# Altium PCB bms_afe_tester-1_0.PcbDoc (part 1 of 4) (continued)
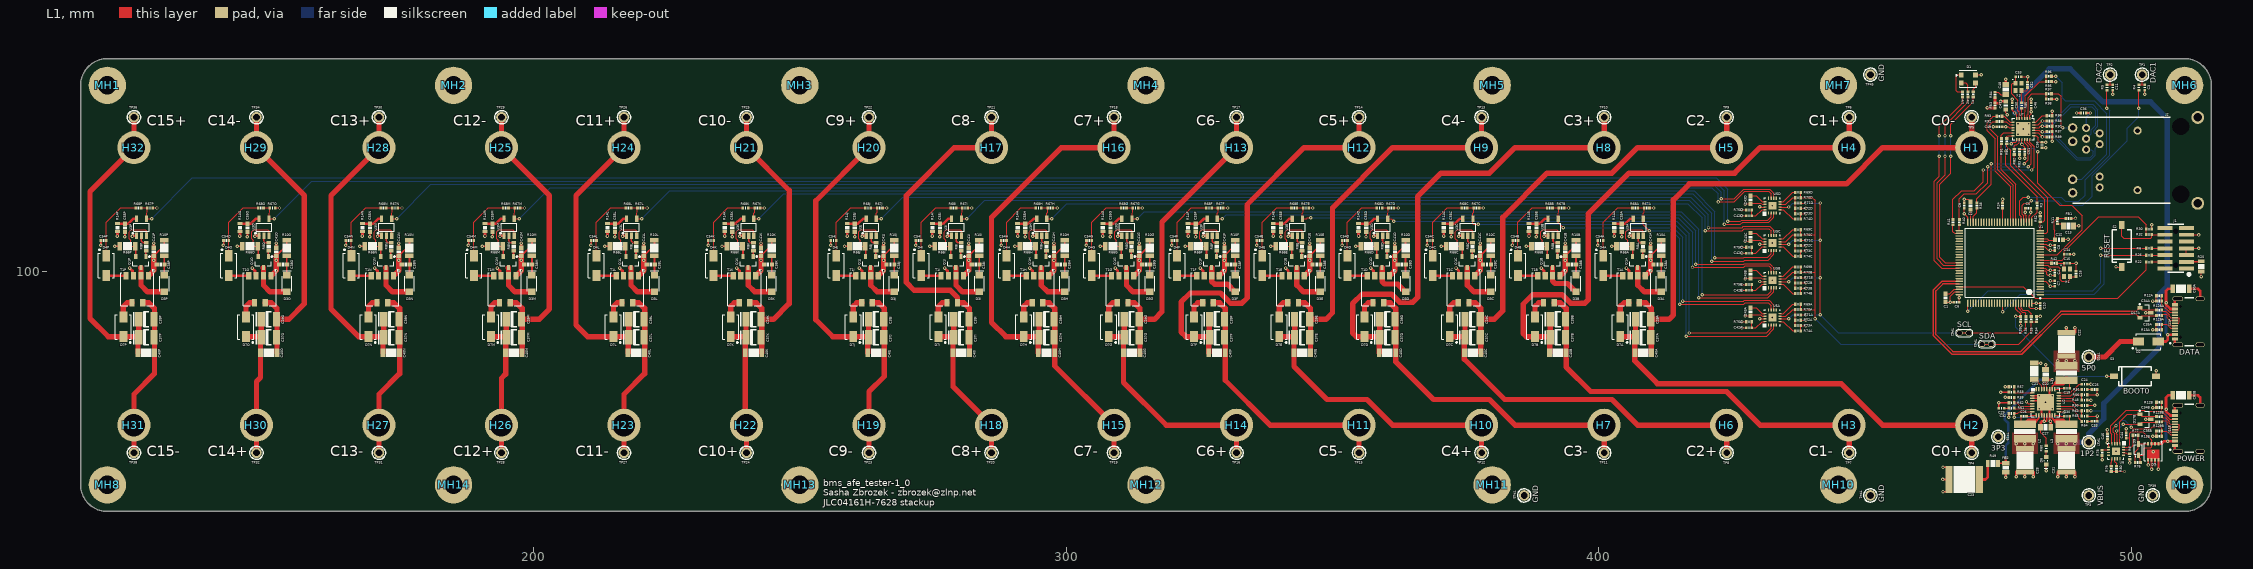
[diagram p0: L1 view]
## Components (designator, comment, footprint, x,y, rotation, side; value= is the part's Value field where it differs from the comment) (continued)
C40J "CL31B106KOHNNNE" C1206 264.325,84.766 r0 top (schematic designator C40)
C40K "CL31B106KOHNNNE" C1206 241.325,84.766 r0 top (schematic designator C40)
C40L "CL31B106KOHNNNE" C1206 219.325,84.766 r0 top (schematic designator C40)
C40M "CL31B106KOHNNNE" C1206 196.325,84.766 r0 top (schematic designator C40)
C40N "CL31B106KOHNNNE" C1206 173.325,84.766 r0 top (schematic designator C40)
C40O "CL31B106KOHNNNE" C1206 150.325,84.766 r0 top (schematic designator C40)
C40P "CL31B106KOHNNNE" C1206 127.325,84.766 r0 top (schematic designator C40)
C41A "CL10B105KA8NNNC" C0603 409.725,103.766 r90 top (schematic designator C41)
C41B "CL10B105KA8NNNC" C0603 393.725,103.766 r90 top (schematic designator C41)
C41C "CL10B105KA8NNNC" C0603 377.725,103.766 r90 top (schematic designator C41)
C41D "CL10B105KA8NNNC" C0603 361.725,103.766 r90 top (schematic designator C41)
C41E "CL10B105KA8NNNC" C0603 345.725,103.766 r90 top (schematic designator C41)
C41F "CL10B105KA8NNNC" C0603 329.725,103.766 r90 top (schematic designator C41)
C41G "CL10B105KA8NNNC" C0603 313.725,103.766 r90 top (schematic designator C41)
C41H "CL10B105KA8NNNC" C0603 297.725,103.766 r90 top (schematic designator C41)
C41I "CL10B105KA8NNNC" C0603 281.725,103.766 r90 top (schematic designator C41)
C41J "CL10B105KA8NNNC" C0603 265.725,103.766 r90 top (schematic designator C41)
C41K "CL10B105KA8NNNC" C0603 242.725,103.766 r90 top (schematic designator C41)
C41L "CL10B105KA8NNNC" C0603 220.725,103.766 r90 top (schematic designator C41)
C41M "CL10B105KA8NNNC" C0603 197.725,103.766 r90 top (schematic designator C41)
C41N "CL10B105KA8NNNC" C0603 174.725,103.766 r90 top (schematic designator C41)
C41O "CL10B105KA8NNNC" C0603 151.725,103.766 r90 top (schematic designator C41)
C41P "CL10B105KA8NNNC" C0603 128.725,103.766 r90 top (schematic designator C41)
C42A "CL05B104KB54PNC" C0402 428.2,89.5 r180 top (schematic designator C42)
C42B "CL05B104KB54PNC" C0402 428.2,96.5 r180 top (schematic designator C42)
C42C "CL05B104KB54PNC" C0402 428.2,103.5 r180 top (schematic designator C42)
C42D "CL05B104KB54PNC" C0402 428.2,110.5 r180 top (schematic designator C42)
C43A "GCM188R70J225KE22D" C0603 428.5,92.5 r270 top (schematic designator C43)
C43B "GCM188R70J225KE22D" C0603 428.5,99.5 r270 top (schematic designator C43)
C43C "GCM188R70J225KE22D" C0603 428.5,106.5 r270 top (schematic designator C43)
C43D "GCM188R70J225KE22D" C0603 428.5,113.5 r270 top (schematic designator C43)
C44 "CL05B104KB54PNC" C0402 499,69.3 r90 top
C45 "CL05B104KB54PNC" C0402 495.5,69.1 r90 top
C46 "CL05B104KB54PNC" C0402 481.2,131.2 r90 top
C47 "CL10B105KA8NNNC" C0603 476.4,131.2 r270 top
C48 "CC0805KKX7R5BB106" C0805 476.4,134.2 r90 top
C49 "CL05B104KB54PNC" C0402 475.2,127.2 r180 top
C50 "CL05B104KB54PNC" C0402 477.6,131.2 r90 top
C51 "CC0402JRNPO9BN270" C0402 480,122.5 r270 top
C52 "CC0402CRNPO9BN6R0" C0402 480.5,135.1 r90 top
C53 "CC0402CRNPO9BN6R0" C0402 478.8,136.6 r0 top
C54A "CL05B104KB54PNC" C0402 400.325,105.866 r180 top (schematic designator C54)
C54B "CL05B104KB54PNC" C0402 384.325,105.866 r180 top (schematic designator C54)
C54C "CL05B104KB54PNC" C0402 368.325,105.866 r180 top (schematic designator C54)
C54D "CL05B104KB54PNC" C0402 352.325,105.866 r180 top (schematic designator C54)
C54E "CL05B104KB54PNC" C0402 336.325,105.866 r180 top (schematic designator C54)
C54F "CL05B104KB54PNC" C0402 320.325,105.866 r180 top (schematic designator C54)
C54G "CL05B104KB54PNC" C0402 304.325,105.866 r180 top (schematic designator C54)
C54H "CL05B104KB54PNC" C0402 288.325,105.866 r180 top (schematic designator C54)
C54I "CL05B104KB54PNC" C0402 272.325,105.866 r180 top (schematic designator C54)
C54J "CL05B104KB54PNC" C0402 256.325,105.866 r180 top (schematic designator C54)
C54K "CL05B104KB54PNC" C0402 233.325,105.866 r180 top (schematic designator C54)
C54L "CL05B104KB54PNC" C0402 211.325,105.866 r180 top (schematic designator C54)
C54M "CL05B104KB54PNC" C0402 188.325,105.866 r180 top (schematic designator C54)
C54N "CL05B104KB54PNC" C0402 165.325,105.866 r180 top (schematic designator C54)
C54O "CL05B104KB54PNC" C0402 142.325,105.866 r180 top (schematic designator C54)
C54P "CL05B104KB54PNC" C0402 119.325,105.866 r180 top (schematic designator C54)
C55A "CL10B105KA8NNNC" C0603 404.325,108.266 r270 top (schematic designator C55)
C55B "CL10B105KA8NNNC" C0603 388.325,108.266 r270 top (schematic designator C55)
C55C "CL10B105KA8NNNC" C0603 372.325,108.266 r270 top (schematic designator C55)
C55D "CL10B105KA8NNNC" C0603 356.325,108.266 r270 top (schematic designator C55)
C55E "CL10B105KA8NNNC" C0603 340.325,108.266 r270 top (schematic designator C55)
C55F "CL10B105KA8NNNC" C0603 324.325,108.266 r270 top (schematic designator C55)
C55G "CL10B105KA8NNNC" C0603 308.325,108.266 r270 top (schematic designator C55)
C55H "CL10B105KA8NNNC" C0603 292.325,108.266 r270 top (schematic designator C55)
C55I "CL10B105KA8NNNC" C0603 276.325,108.266 r270 top (schematic designator C55)
C55J "CL10B105KA8NNNC" C0603 260.325,108.266 r270 top (schematic designator C55)
C55K "CL10B105KA8NNNC" C0603 237.325,108.266 r270 top (schematic designator C55)
C55L "CL10B105KA8NNNC" C0603 215.325,108.266 r270 top (schematic designator C55)
C55M "CL10B105KA8NNNC" C0603 192.325,108.266 r270 top (schematic designator C55)
C55N "CL10B105KA8NNNC" C0603 169.325,108.266 r270 top (schematic designator C55)
C55O "CL10B105KA8NNNC" C0603 146.325,108.266 r270 top (schematic designator C55)
C55P "CL10B105KA8NNNC" C0603 123.325,108.266 r270 top (schematic designator C55)
C56 "CL05B104KB54PNC" C0402 483.2,123.8 r270 top
C80A "CL31B106KBHNNNE" C1206 509.3,96.8 r0 top (schematic designator C80)
C80B "CL31B106KBHNNNE" C1206 509.3,76.8 r0 top (schematic designator C80)
D1 "XL-3528RGBW-HM" LED_RGB_SMD3528-4P 469.4,136.2 r180 top
D2 "B340A-13-F" SMA 503.2,86.9 r180 top
D3A "PMEG10010ELR-QX" SOD123W 411.725,97.766 r90 top (schematic designator D3)
D3B "PMEG10010ELR-QX" SOD123W 395.725,97.766 r90 top (schematic designator D3)
D3C "PMEG10010ELR-QX" SOD123W 379.725,97.766 r90 top (schematic designator D3)
D3D "PMEG10010ELR-QX" SOD123W 363.725,97.766 r90 top (schematic designator D3)
D3E "PMEG10010ELR-QX" SOD123W 347.725,97.766 r90 top (schematic designator D3)
D3F "PMEG10010ELR-QX" SOD123W 331.725,97.766 r90 top (schematic designator D3)
D3G "PMEG10010ELR-QX" SOD123W 315.725,97.766 r90 top (schematic designator D3)
D3H "PMEG10010ELR-QX" SOD123W 299.725,97.766 r90 top (schematic designator D3)
D3I "PMEG10010ELR-QX" SOD123W 283.725,97.766 r90 top (schematic designator D3)
D3J "PMEG10010ELR-QX" SOD123W 267.725,97.766 r90 top (schematic designator D3)
D3K "PMEG10010ELR-QX" SOD123W 244.725,97.766 r90 top (schematic designator D3)
D3L "PMEG10010ELR-QX" SOD123W 222.725,97.766 r90 top (schematic designator D3)
D3M "PMEG10010ELR-QX" SOD123W 199.725,97.766 r90 top (schematic designator D3)
D3N "PMEG10010ELR-QX" SOD123W 176.725,97.766 r90 top (schematic designator D3)
D3O "PMEG10010ELR-QX" SOD123W 153.725,97.766 r90 top (schematic designator D3)
D3P "PMEG10010ELR-QX" SOD123W 130.725,97.766 r90 top (schematic designator D3)
D4A "B340A-13-F" SMA 400.825,101.166 r90 top (schematic designator D4)
D4B "B340A-13-F" SMA 384.825,101.166 r90 top (schematic designator D4)
D4C "B340A-13-F" SMA 368.825,101.166 r90 top (schematic designator D4)
D4D "B340A-13-F" SMA 352.825,101.166 r90 top (schematic designator D4)
D4E "B340A-13-F" SMA 336.825,101.166 r90 top (schematic designator D4)
D4F "B340A-13-F" SMA 320.825,101.166 r90 top (schematic designator D4)
D4G "B340A-13-F" SMA 304.825,101.166 r90 top (schematic designator D4)
D4H "B340A-13-F" SMA 288.825,101.166 r90 top (schematic designator D4)
D4I "B340A-13-F" SMA 272.825,101.166 r90 top (schematic designator D4)
D4J "B340A-13-F" SMA 256.825,101.166 r90 top (schematic designator D4)
D4K "B340A-13-F" SMA 233.825,101.166 r90 top (schematic designator D4)
D4L "B340A-13-F" SMA 211.825,101.166 r90 top (schematic designator D4)
D4M "B340A-13-F" SMA 188.825,101.166 r90 top (schematic designator D4)
D4N "B340A-13-F" SMA 165.825,101.166 r90 top (schematic designator D4)
D4O "B340A-13-F" SMA 142.825,101.166 r90 top (schematic designator D4)
D4P "B340A-13-F" SMA 119.825,101.166 r90 top (schematic designator D4)
D6 "LTST-C190YKT" LED_0603P_YELLOW 484,64.5 r90 top
D7A "B340A-13-F" SMA 404.025,89.666 r270 top (schematic designator D7)
D7B "B340A-13-F" SMA 388.025,89.666 r270 top (schematic designator D7)
D7C "B340A-13-F" SMA 372.025,89.666 r270 top (schematic designator D7)
D7D "B340A-13-F" SMA 356.025,89.666 r270 top (schematic designator D7)
D7E "B340A-13-F" SMA 340.025,89.666 r270 top (schematic designator D7)
D7F "B340A-13-F" SMA 324.025,89.666 r270 top (schematic designator D7)
D7G "B340A-13-F" SMA 308.025,89.666 r270 top (schematic designator D7)
D7H "B340A-13-F" SMA 292.025,89.666 r270 top (schematic designator D7)
D7I "B340A-13-F" SMA 276.025,89.666 r270 top (schematic designator D7)
D7J "B340A-13-F" SMA 260.025,89.666 r270 top (schematic designator D7)
D7K "B340A-13-F" SMA 237.025,89.666 r270 top (schematic designator D7)
D7L "B340A-13-F" SMA 215.025,89.666 r270 top (schematic designator D7)
D7M "B340A-13-F" SMA 192.025,89.666 r270 top (schematic designator D7)
D7N "B340A-13-F" SMA 169.025,89.666 r270 top (schematic designator D7)
D7O "B340A-13-F" SMA 146.025,89.666 r270 top (schematic designator D7)
D7P "B340A-13-F" SMA 123.025,89.666 r270 top (schematic designator D7)
D9 "MM3Z15VC" SOD323 501.3,66.6 r90 top
D17A "PESD2USB3UX" 3SOT23 502.6,92.3 r0 top (schematic designator D17)
D17B "PESD2USB3UX" 3SOT23 502.6,72.3 r0 top (schematic designator D17)
FB1 "BLM15PX601SN1D" FB0402 488.2,110 r0 top
FB2 "MPZ2012S102AT000" FB0805 476.4,63.2 r90 top
FB3 "BLM15PX601SN1D" FB0402 474.4,131.2 r90 top
H1 "SMTSO-M2-10ET" SMTSO-M2-10ET 470,123.3 r0 top
H2 "SMTSO-M2-10ET" SMTSO-M2-10ET 470,71.2 r0 top
H3 "SMTSO-M2-10ET" SMTSO-M2-10ET 447,71.2 r0 top
H4 "SMTSO-M2-10ET" SMTSO-M2-10ET 447,123.3 r0 top
H5 "SMTSO-M2-10ET" SMTSO-M2-10ET 424,123.3 r0 top
H6 "SMTSO-M2-10ET" SMTSO-M2-10ET 424,71.2 r0 top
H7 "SMTSO-M2-10ET" SMTSO-M2-10ET 401,71.2 r0 top
H8 "SMTSO-M2-10ET" SMTSO-M2-10ET 401,123.3 r0 top
H9 "SMTSO-M2-10ET" SMTSO-M2-10ET 378,123.3 r0 top
H10 "SMTSO-M2-10ET" SMTSO-M2-10ET 378,71.2 r0 top
H11 "SMTSO-M2-10ET" SMTSO-M2-10ET 355,71.2 r0 top
H12 "SMTSO-M2-10ET" SMTSO-M2-10ET 355,123.3 r0 top
H13 "SMTSO-M2-10ET" SMTSO-M2-10ET 332,123.3 r0 top
H14 "SMTSO-M2-10ET" SMTSO-M2-10ET 332,71.2 r0 top
H15 "SMTSO-M2-10ET" SMTSO-M2-10ET 309,71.2 r0 top
H16 "SMTSO-M2-10ET" SMTSO-M2-10ET 309,123.3 r0 top
H17 "SMTSO-M2-10ET" SMTSO-M2-10ET 286,123.3 r0 top
H18 "SMTSO-M2-10ET" SMTSO-M2-10ET 286,71.2 r0 top
H19 "SMTSO-M2-10ET" SMTSO-M2-10ET 263,71.2 r0 top
H20 "SMTSO-M2-10ET" SMTSO-M2-10ET 263,123.3 r0 top
H21 "SMTSO-M2-10ET" SMTSO-M2-10ET 240,123.3 r0 top
H22 "SMTSO-M2-10ET" SMTSO-M2-10ET 240,71.2 r0 top
H23 "SMTSO-M2-10ET" SMTSO-M2-10ET 217,71.2 r0 top
H24 "SMTSO-M2-10ET" SMTSO-M2-10ET 217,123.3 r0 top
H25 "SMTSO-M2-10ET" SMTSO-M2-10ET 194,123.3 r0 top
H26 "SMTSO-M2-10ET" SMTSO-M2-10ET 194,71.2 r0 top
H27 "SMTSO-M2-10ET" SMTSO-M2-10ET 171,71.2 r0 top
H28 "SMTSO-M2-10ET" SMTSO-M2-10ET 171,123.3 r0 top
H29 "SMTSO-M2-10ET" SMTSO-M2-10ET 148,123.3 r0 top
H30 "SMTSO-M2-10ET" SMTSO-M2-10ET 148,71.2 r0 top
H31 "SMTSO-M2-10ET" SMTSO-M2-10ET 125,71.2 r0 top
H32 "SMTSO-M2-10ET" SMTSO-M2-10ET 125,123.3 r0 top
J1 "FTSH-107-01-L-DV-K-A" SAMTEC_FTSH-107-01-L-DV-K-A 508.3,104.4 r90 top
J2 "0826-1L1T-57-F" BELFUSE_0826-1L1T-57-F 509.28,120.904 r270 top
J11A "TYPE-C-31-M-12" CONN_USBC_TYPE-C-31-M-12 515.01,90.6 r90 top (schematic designator J11)
J11B "TYPE-C-31-M-12" CONN_USBC_TYPE-C-31-M-12 515.01,70.6 r90 top (schematic designator J11)
L1 "FTC404020S4R7MGCA" SMD-4.1x4.1x2.0 487.8,81 r90 top value=4.7uH
L2 "FTC404020S4R7MGCA" SMD-4.1x4.1x2.0 480,70 r270 top value=4.7uH
L3 "FTC404020S4R7MGCA" SMD-4.1x4.1x2.0 487.8,70 r270 top value=4.7uH
MH1 "HOLE" HOLE_M3 120,135 r0 top
MH2 "HOLE" HOLE_M3 185,135 r0 top
MH3 "HOLE" HOLE_M3 250,135 r0 top
MH4 "HOLE" HOLE_M3 315,135 r0 top
MH5 "HOLE" HOLE_M3 380,135 r0 top
MH6 "HOLE" HOLE_M3 510,135 r0 top
MH7 "HOLE" HOLE_M3 445,135 r0 top
MH8 "HOLE" HOLE_M3 120,60 r0 top
MH9 "HOLE" HOLE_M3 510,60 r0 top
MH10 "HOLE" HOLE_M3 445,60 r0 top
MH11 "HOLE" HOLE_M3 380,60 r0 top
MH12 "HOLE" HOLE_M3 315,60 r0 top
MH13 "HOLE" HOLE_M3 250,60 r0 top
MH14 "HOLE" HOLE_M3 185,60 r0 top
Q1A "IRLML0060TRPBF" 3SOT23 407.3,101.8 r270 top (schematic designator Q1)
Q1B "IRLML0060TRPBF" 3SOT23 391.3,101.8 r270 top (schematic designator Q1)
Q1C "IRLML0060TRPBF" 3SOT23 375.3,101.8 r270 top (schematic designator Q1)
Q1D "IRLML0060TRPBF" 3SOT23 359.3,101.8 r270 top (schematic designator Q1)
Q1E "IRLML0060TRPBF" 3SOT23 343.3,101.8 r270 top (schematic designator Q1)
Q1F "IRLML0060TRPBF" 3SOT23 327.3,101.8 r270 top (schematic designator Q1)
Q1G "IRLML0060TRPBF" 3SOT23 311.3,101.8 r270 top (schematic designator Q1)
Q1H "IRLML0060TRPBF" 3SOT23 295.3,101.8 r270 top (schematic designator Q1)
Q1I "IRLML0060TRPBF" 3SOT23 279.3,101.8 r270 top (schematic designator Q1)
Q1J "IRLML0060TRPBF" 3SOT23 263.3,101.8 r270 top (schematic designator Q1)
Q1K "IRLML0060TRPBF" 3SOT23 240.3,101.8 r270 top (schematic designator Q1)
Q1L "IRLML0060TRPBF" 3SOT23 218.3,101.8 r270 top (schematic designator Q1)
Q1M "IRLML0060TRPBF" 3SOT23 195.3,101.8 r270 top (schematic designator Q1)
Q1N "IRLML0060TRPBF" 3SOT23 172.3,101.8 r270 top (schematic designator Q1)
Q1O "IRLML0060TRPBF" 3SOT23 149.3,101.8 r270 top (schematic designator Q1)
Q1P "IRLML0060TRPBF" 3SOT23 126.3,101.8 r270 top (schematic designator Q1)
Q3 "DMP6023LFGQ-13" DIODES_POWERDI3333-8 504.1,66.2 r180 top
R1 "0402WGF1001TCE" R0402 470.3,133.3 r270 top value=1k
R2 "0402WGF1001TCE" R0402 469.3,133.3 r270 top value=1k
R3 "CRCW040233R0FKED" R0402 482.3,112.4 r270 top value=33
R4 "CRCW040233R0FKED" R0402 501.4,134.6 r270 top value=33
R5 "CRCW040233R0FKED" R0402 495.4,134.6 r270 top value=33
R6 "CRCW040233R0FKED" R0402 503.3,104.4 r0 top value=33
R7 "0402WGF1001TCE" R0402 468.3,133.3 r270 top value=1k
R8A "CRCW06034R70FKEAHP" R0603 408.3,104.7 r90 top value=4.7 (schematic designator R8)
R8B "CRCW06034R70FKEAHP" R0603 392.3,104.7 r90 top value=4.7 (schematic designator R8)
R8C "CRCW06034R70FKEAHP" R0603 376.3,104.7 r90 top value=4.7 (schematic designator R8)
R8D "CRCW06034R70FKEAHP" R0603 360.3,104.7 r90 top value=4.7 (schematic designator R8)
R8E "CRCW06034R70FKEAHP" R0603 344.3,104.7 r90 top value=4.7 (schematic designator R8)
R8F "CRCW06034R70FKEAHP" R0603 328.3,104.7 r90 top value=4.7 (schematic designator R8)
R8G "CRCW06034R70FKEAHP" R0603 312.3,104.7 r90 top value=4.7 (schematic designator R8)
R8H "CRCW06034R70FKEAHP" R0603 296.3,104.7 r90 top value=4.7 (schematic designator R8)
R8I "CRCW06034R70FKEAHP" R0603 280.3,104.7 r90 top value=4.7 (schematic designator R8)
R8J "CRCW06034R70FKEAHP" R0603 264.3,104.7 r90 top value=4.7 (schematic designator R8)
R8K "CRCW06034R70FKEAHP" R0603 241.3,104.7 r90 top value=4.7 (schematic designator R8)
R8L "CRCW06034R70FKEAHP" R0603 219.3,104.7 r90 top value=4.7 (schematic designator R8)
R8M "CRCW06034R70FKEAHP" R0603 196.3,104.7 r90 top value=4.7 (schematic designator R8)
R8N "CRCW06034R70FKEAHP" R0603 173.3,104.7 r90 top value=4.7 (schematic designator R8)
R8O "CRCW06034R70FKEAHP" R0603 150.3,104.7 r90 top value=4.7 (schematic designator R8)
R8P "CRCW06034R70FKEAHP" R0603 127.3,104.7 r90 top value=4.7 (schematic designator R8)
R9 "0402WGF9103TCE" R0402 499.7,65.3 r90 top value=910k
R10A "ESR18EZPF2202" R1206 411.725,104.466 r90 top value=22k (schematic designator R10)
R10B "ESR18EZPF2202" R1206 395.725,104.466 r90 top value=22k (schematic designator R10)
R10C "ESR18EZPF2202" R1206 379.725,104.466 r90 top value=22k (schematic designator R10)
R10D "ESR18EZPF2202" R1206 363.725,104.466 r90 top value=22k (schematic designator R10)
R10E "ESR18EZPF2202" R1206 347.725,104.466 r90 top value=22k (schematic designator R10)
R10F "ESR18EZPF2202" R1206 331.725,104.466 r90 top value=22k (schematic designator R10)
R10G "ESR18EZPF2202" R1206 315.725,104.466 r90 top value=22k (schematic designator R10)
R10H "ESR18EZPF2202" R1206 299.725,104.466 r90 top value=22k (schematic designator R10)
R10I "ESR18EZPF2202" R1206 283.725,104.466 r90 top value=22k (schematic designator R10)
R10J "ESR18EZPF2202" R1206 267.725,104.466 r90 top value=22k (schematic designator R10)
R10K "ESR18EZPF2202" R1206 244.725,104.466 r90 top value=22k (schematic designator R10)
R10L "ESR18EZPF2202" R1206 222.725,104.466 r90 top value=22k (schematic designator R10)
R10M "ESR18EZPF2202" R1206 199.725,104.466 r90 top value=22k (schematic designator R10)
R10N "ESR18EZPF2202" R1206 176.725,104.466 r90 top value=22k (schematic designator R10)
R10O "ESR18EZPF2202" R1206 153.725,104.466 r90 top value=22k (schematic designator R10)
R10P "ESR18EZPF2202" R1206 130.725,104.466 r90 top value=22k (schematic designator R10)
R11 "CRCW04021R00FKEDC" R0402 486.1,109.5 r90 top value=1
R12A "0402WGF5101TCE" R0402 505.2,95.5 r180 top value=5.1k (schematic designator R12)
R12B "0402WGF5101TCE" R0402 505.2,75.5 r180 top value=5.1k (schematic designator R12)
R13A "0402WGF5101TCE" R0402 505.2,89.1 r180 top value=5.1k (schematic designator R13)
R13B "0402WGF5101TCE" R0402 505.2,69.1 r180 top value=5.1k (schematic designator R13)
R14A "CRCW06034R70FKEAHP" R0603 402.9,108.3 r90 top value=4.7 (schematic designator R14)
R14B "CRCW06034R70FKEAHP" R0603 386.9,108.3 r90 top value=4.7 (schematic designator R14)
R14C "CRCW06034R70FKEAHP" R0603 370.9,108.3 r90 top value=4.7 (schematic designator R14)
R14D "CRCW06034R70FKEAHP" R0603 354.9,108.3 r90 top value=4.7 (schematic designator R14)
R14E "CRCW06034R70FKEAHP" R0603 338.9,108.3 r90 top value=4.7 (schematic designator R14)
R14F "CRCW06034R70FKEAHP" R0603 322.9,108.3 r90 top value=4.7 (schematic designator R14)
R14G "CRCW06034R70FKEAHP" R0603 306.9,108.3 r90 top value=4.7 (schematic designator R14)
R14H "CRCW06034R70FKEAHP" R0603 290.9,108.3 r90 top value=4.7 (schematic designator R14)
R14I "CRCW06034R70FKEAHP" R0603 274.9,108.3 r90 top value=4.7 (schematic designator R14)
R14J "CRCW06034R70FKEAHP" R0603 258.9,108.3 r90 top value=4.7 (schematic designator R14)
R14K "CRCW06034R70FKEAHP" R0603 235.9,108.3 r90 top value=4.7 (schematic designator R14)
R14L "CRCW06034R70FKEAHP" R0603 213.9,108.3 r90 top value=4.7 (schematic designator R14)
R14M "CRCW06034R70FKEAHP" R0603 190.9,108.3 r90 top value=4.7 (schematic designator R14)
R14N "CRCW06034R70FKEAHP" R0603 167.9,108.3 r90 top value=4.7 (schematic designator R14)
R14O "CRCW06034R70FKEAHP" R0603 144.9,108.3 r90 top value=4.7 (schematic designator R14)
R14P "CRCW06034R70FKEAHP" R0603 121.9,108.3 r90 top value=4.7 (schematic designator R14)
R20 "AR05FTC1000" R0805 513.1,101 r270 top value=100
R22 "CRCW040233R0FKED" R0402 503.3,101.8 r0 top value=33
R24 "0402WGF1001TCE" R0402 475.8,112.4 r270 top value=1k
R26 "CRCW040233R0FKED" R0402 503.3,103.1 r0 top value=33
R30 "0402WGF1002TCE" R0402 503.3,108 r180 top value=10k
R32 "CRCW040233R0FKED" R0402 503.3,107 r0 top value=33
R35 "CRCW040233R0FKED" R0402 481.2,91.1 r90 top value=33
R36 "CRCW040233R0FKED" R0402 480.2,91.1 r90 top value=33
R38 "CRCW040233R0FKED" R0402 471,112.4 r270 top value=33
R39 "0402WGF1001TCE" R0402 479.2,91.1 r270 top value=1k
R40 "CRCW040233R0FKED" R0402 467.7,109.3 r270 top value=33
R41 "CRCW040233R0FKED" R0402 466.5,109.3 r270 top value=33
R42 "0402WGF3300TCE" R0402 485.5,101.6 r0 top value=330
R48 "0402WGF7322TCE" R0402 491.2,75.9 r0 top value=73.2k
R49 "HP05W3F220KT5E" R0805 474,64 r0 top value=2.2
R50 "0402WGF8872TCE" R0402 491.2,74.9 r180 top value=88.7k
R51 "0402WGF1002TCE" R0402 491.2,77.9 r180 top value=10k
R52 "0402WGF1501TCE" R0402 482.9,109.9 r90 top value=1.5k
R54 "0402WGF1501TCE" R0402 482.2,91.1 r90 top value=1.5k
R56 "0402WGF1002TCE" R0402 491.2,76.9 r180 top value=10k
R57 "0402WGF1003TCE" R0402 477.5,78.4 r180 top value=100k
R58 "0402WGF3302TCE" R0402 477.5,77.4 r0 top value=33k
R59 "FRC0402F4532TS" R0402 477.5,76.4 r180 top value=45.3k
R60 "0402WGF1001TCE" R0402 484,66.8 r90 top value=1k
R61 "0402WGF1002TCE" R0402 477.5,74.4 r0 top value=10k
R62 "0402WGF1002TCE" R0402 477.5,75.4 r0 top value=10k
R63 "0402WGF1002TCE" R0402 491.2,73.9 r0 top value=10k
R64 "0402WGF1002TCE" R0402 491.2,71.9 r180 top value=10k
R65 "0402WGF1002TCE" R0402 491.2,72.9 r180 top value=10k
R66A "HP06W2F120KT5E" R1206 404.8,104.8 r0 top value=1.2 (schematic designator R66)
R66B "HP06W2F120KT5E" R1206 388.8,104.8 r0 top value=1.2 (schematic designator R66)
R66C "HP06W2F120KT5E" R1206 372.8,104.8 r0 top value=1.2 (schematic designator R66)
R66D "HP06W2F120KT5E" R1206 356.8,104.8 r0 top value=1.2 (schematic designator R66)
R66E "HP06W2F120KT5E" R1206 340.8,104.8 r0 top value=1.2 (schematic designator R66)
R66F "HP06W2F120KT5E" R1206 324.8,104.8 r0 top value=1.2 (schematic designator R66)
R66G "HP06W2F120KT5E" R1206 308.8,104.8 r0 top value=1.2 (schematic designator R66)
R66H "HP06W2F120KT5E" R1206 292.8,104.8 r0 top value=1.2 (schematic designator R66)
R66I "HP06W2F120KT5E" R1206 276.8,104.8 r0 top value=1.2 (schematic designator R66)
R66J "HP06W2F120KT5E" R1206 260.8,104.8 r0 top value=1.2 (schematic designator R66)
R66K "HP06W2F120KT5E" R1206 237.8,104.8 r0 top value=1.2 (schematic designator R66)
R66L "HP06W2F120KT5E" R1206 215.8,104.8 r0 top value=1.2 (schematic designator R66)
R66M "HP06W2F120KT5E" R1206 192.8,104.8 r0 top value=1.2 (schematic designator R66)
R66N "HP06W2F120KT5E" R1206 169.8,104.8 r0 top value=1.2 (schematic designator R66)
R66O "HP06W2F120KT5E" R1206 146.8,104.8 r0 top value=1.2 (schematic designator R66)
R66P "HP06W2F120KT5E" R1206 123.8,104.8 r0 top value=1.2 (schematic designator R66)
R67A "0402WGF6491TCE" R0402 409.025,111.966 r180 top value=6.49k (schematic designator R67)
R67B "0402WGF6491TCE" R0402 393.025,111.966 r180 top value=6.49k (schematic designator R67)
R67C "0402WGF6491TCE" R0402 377.025,111.966 r180 top value=6.49k (schematic designator R67)
R67D "0402WGF6491TCE" R0402 361.025,111.966 r180 top value=6.49k (schematic designator R67)
R67E "0402WGF6491TCE" R0402 345.025,111.966 r180 top value=6.49k (schematic designator R67)
R67F "0402WGF6491TCE" R0402 329.025,111.966 r180 top value=6.49k (schematic designator R67)
R67G "0402WGF6491TCE" R0402 313.025,111.966 r180 top value=6.49k (schematic designator R67)
R67H "0402WGF6491TCE" R0402 297.025,111.966 r180 top value=6.49k (schematic designator R67)
R67I "0402WGF6491TCE" R0402 281.025,111.966 r180 top value=6.49k (schematic designator R67)
R67J "0402WGF6491TCE" R0402 265.025,111.966 r180 top value=6.49k (schematic designator R67)
R67K "0402WGF6491TCE" R0402 242.025,111.966 r180 top value=6.49k (schematic designator R67)
R67L "0402WGF6491TCE" R0402 220.025,111.966 r180 top value=6.49k (schematic designator R67)
R67M "0402WGF6491TCE" R0402 197.025,111.966 r180 top value=6.49k (schematic designator R67)
R67N "0402WGF6491TCE" R0402 174.025,111.966 r180 top value=6.49k (schematic designator R67)
R67O "0402WGF6491TCE" R0402 151.025,111.966 r180 top value=6.49k (schematic designator R67)
R67P "0402WGF6491TCE" R0402 128.025,111.966 r180 top value=6.49k (schematic designator R67)
R68A "RC0402FR-076K98L" R0402 406.825,111.966 r180 top value=6.98k (schematic designator R68)
R68B "RC0402FR-076K98L" R0402 390.825,111.966 r180 top value=6.98k (schematic designator R68)
R68C "RC0402FR-076K98L" R0402 374.825,111.966 r180 top value=6.98k (schematic designator R68)
R68D "RC0402FR-076K98L" R0402 358.825,111.966 r180 top value=6.98k (schematic designator R68)
R68E "RC0402FR-076K98L" R0402 342.825,111.966 r180 top value=6.98k (schematic designator R68)
R68F "RC0402FR-076K98L" R0402 326.825,111.966 r180 top value=6.98k (schematic designator R68)
R68G "RC0402FR-076K98L" R0402 310.825,111.966 r180 top value=6.98k (schematic designator R68)
R68H "RC0402FR-076K98L" R0402 294.825,111.966 r180 top value=6.98k (schematic designator R68)
R68I "RC0402FR-076K98L" R0402 278.825,111.966 r180 top value=6.98k (schematic designator R68)
R68J "RC0402FR-076K98L" R0402 262.825,111.966 r180 top value=6.98k (schematic designator R68)
R68K "RC0402FR-076K98L" R0402 239.825,111.966 r180 top value=6.98k (schematic designator R68)
R68L "RC0402FR-076K98L" R0402 217.825,111.966 r180 top value=6.98k (schematic designator R68)
R68M "RC0402FR-076K98L" R0402 194.825,111.966 r180 top value=6.98k (schematic designator R68)
R68N "RC0402FR-076K98L" R0402 171.825,111.966 r180 top value=6.98k (schematic designator R68)
R68O "RC0402FR-076K98L" R0402 148.825,111.966 r180 top value=6.98k (schematic designator R68)
R68P "RC0402FR-076K98L" R0402 125.825,111.966 r180 top value=6.98k (schematic designator R68)
R69A "CRCW040233R0FKED" R0402 437.4,93.9 r0 top value=33 (schematic designator R69)
R69B "CRCW040233R0FKED" R0402 437.4,100.9 r0 top value=33 (schematic designator R69)
R69C "CRCW040233R0FKED" R0402 437.4,107.9 r0 top value=33 (schematic designator R69)
R69D "CRCW040233R0FKED" R0402 437.4,114.9 r0 top value=33 (schematic designator R69)
R70A "0402WGF0000TCE" R0402 437.4,92.9 r0 top value=0m (schematic designator R70)
R70B "0402WGF0000TCE" R0402 437.4,99.9 r0 top value=0m (schematic designator R70)
R70C "0402WGF0000TCE" R0402 437.4,106.9 r0 top value=0m (schematic designator R70)
R70D "0402WGF0000TCE" R0402 437.4,113.9 r0 top value=0m (schematic designator R70)
R71A "0402WGF0000TCE" R0402 437.4,91.9 r180 top value=0m (schematic designator R71)
R71B "0402WGF0000TCE" R0402 437.4,98.9 r180 top value=0m (schematic designator R71)
R71C "0402WGF0000TCE" R0402 437.4,105.9 r180 top value=0m (schematic designator R71)
R71D "0402WGF0000TCE" R0402 437.4,112.9 r180 top value=0m (schematic designator R71)
R72A "0402WGF0000TCE" R0402 437.4,90.9 r180 top value=0m (schematic designator R72)
R72B "0402WGF0000TCE" R0402 437.4,97.9 r180 top value=0m (schematic designator R72)
R72C "0402WGF0000TCE" R0402 437.4,104.9 r180 top value=0m (schematic designator R72)
R72D "0402WGF0000TCE" R0402 437.4,111.9 r180 top value=0m (schematic designator R72)
R73A "0402WGF0000TCE" R0402 437.4,89.9 r180 top value=0m (schematic designator R73)
R73B "0402WGF0000TCE" R0402 437.4,96.9 r180 top value=0m (schematic designator R73)
R73C "0402WGF0000TCE" R0402 437.4,103.9 r180 top value=0m (schematic designator R73)
R73D "0402WGF0000TCE" R0402 437.4,110.9 r180 top value=0m (schematic designator R73)
R74A "0402WGF1002TCE" R0402 437.4,88.9 r0 top value=10k (schematic designator R74)
R74B "0402WGF1002TCE" R0402 437.4,95.9 r0 top value=10k (schematic designator R74)
R74C "0402WGF1002TCE" R0402 437.4,102.9 r0 top value=10k (schematic designator R74)
R74D "0402WGF1002TCE" R0402 437.4,109.9 r0 top value=10k (schematic designator R74)
R75A "0402WGF1002TCE" R0402 428.2,90.6 r180 top value=10k (schematic designator R75)
R75B "0402WGF1002TCE" R0402 428.2,97.6 r180 top value=10k (schematic designator R75)
R75C "0402WGF1002TCE" R0402 428.2,104.6 r180 top value=10k (schematic designator R75)
R75D "0402WGF1002TCE" R0402 428.2,111.6 r180 top value=10k (schematic designator R75)
R76 "0402WGF1003TCE" R0402 501.2,64.2 r0 top value=100k
R77 "0402WGF1002TCE" R0402 500.8,69.3 r0 top value=10k
R78 "0402WGF9103TCE" R0402 494.5,66 r90 top value=910k
R79 "0402WGF6041TCE" R0402 496.2,63 r90 top value=6.04k
R80 "0402WGF6041TCE" R0402 497.2,63 r90 top value=6.04k
R81 "CRCW040233R0FKED" R0402 476.6,124.5 r270 top value=33
R82 "CRCW040233R0FKED" R0402 478,122.5 r270 top value=33
R83 "0402WGF1002TCE" R0402 479,122.5 r90 top value=10k
R84 "CRCW04021R00FKEDC" R0402 474.4,133.2 r270 top value=1
R85 "0402WGF3300TCE" R0402 479.4,131.2 r270 top value=330
R86 "RC0402FR-0712K1L" R0402 484.6,129.3 r0 top value=12.1k
R87 "0402WGF499JTCE" R0402 484.6,126.3 r180 top value=49.9
R88 "0402WGF499JTCE" R0402 484.6,128.3 r180 top value=49.9
R89 "0402WGF499JTCE" R0402 484.6,125.3 r180 top value=49.9
R90 "0402WGF499JTCE" R0402 484.6,127.3 r180 top value=49.9
R91 "CRCW040233R0FKED" R0402 475.6,124.5 r270 top value=33
R92 "CRCW040233R0FKED" R0402 475.2,128.2 r180 top value=33
R93 "CRCW040233R0FKED" R0402 475.2,129.2 r180 top value=33
R95 "0402WGF1002TCE" R0402 484.5,135.7 r0 top value=10k
R96 "0402WGF1001TCE" R0402 484.5,136.7 r180 top value=1k
R97 "0402WGF1001TCE" R0402 484.5,133.4 r180 top value=1k
R98 "0402WGF1002TCE" R0402 484.5,132.4 r0 top value=10k
R128A "CRCW040233R0FKED" R0402 505.2,92.8 r0 top value=33 (schematic designator R128)
R128B "CRCW040233R0FKED" R0402 505.2,72.8 r0 top value=33 (schematic designator R128)
R129A "CRCW040233R0FKED" R0402 505.2,91.8 r0 top value=33 (schematic designator R129)
R129B "CRCW040233R0FKED" R0402 505.2,71.8 r0 top value=33 (schematic designator R129)
S2 "TS-1092S-B3D2-G" SWITCH_TS-1092S-B3D2-G 498.2,104.8 r90 top
S3 "TS-1092S-B3D2-G" SWITCH_TS-1092S-B3D2-G 500.7,80.4 r0 top
T1A "PH9585.003NLT" PULSE_PH9585 406.625,96.691 r270 top (schematic designator T1)
T1B "PH9585.003NLT" PULSE_PH9585 390.625,96.691 r270 top (schematic designator T1)
T1C "PH9585.003NLT" PULSE_PH9585 374.625,96.691 r270 top (schematic designator T1)
T1D "PH9585.003NLT" PULSE_PH9585 358.625,96.691 r270 top (schematic designator T1)
T1E "PH9585.003NLT" PULSE_PH9585 342.625,96.691 r270 top (schematic designator T1)
T1F "PH9585.003NLT" PULSE_PH9585 326.625,96.691 r270 top (schematic designator T1)
T1G "PH9585.003NLT" PULSE_PH9585 310.625,96.691 r270 top (schematic designator T1)
T1H "PH9585.003NLT" PULSE_PH9585 294.625,96.691 r270 top (schematic designator T1)
T1I "PH9585.003NLT" PULSE_PH9585 278.625,96.691 r270 top (schematic designator T1)
T1J "PH9585.003NLT" PULSE_PH9585 262.625,96.691 r270 top (schematic designator T1)
T1K "PH9585.003NLT" PULSE_PH9585 239.625,96.691 r270 top (schematic designator T1)
T1L "PH9585.003NLT" PULSE_PH9585 217.625,96.691 r270 top (schematic designator T1)
T1M "PH9585.003NLT" PULSE_PH9585 194.625,96.691 r270 top (schematic designator T1)
T1N "PH9585.003NLT" PULSE_PH9585 171.625,96.691 r270 top (schematic designator T1)
T1O "PH9585.003NLT" PULSE_PH9585 148.625,96.691 r270 top (schematic designator T1)
T1P "PH9585.003NLT" PULSE_PH9585 125.625,96.691 r270 top (schematic designator T1)
TP1 "" TP_RH-5002 502,137 r0 top
TP2 "" TP_RH-5002 496,137 r0 top
TP3 "RH-5000" TP_RH-5000 492,58 r0 top
TP4 "RH-5000" TP_RH-5000 470,66 r0 top
TP5 "RH-5001" TP_RH-5001 470,129 r0 top
TP6 "RH-5000" TP_RH-5000 447,129 r0 top
TP7 "RH-5001" TP_RH-5001 447,66 r0 top
TP8 "RH-5000" TP_RH-5000 424,66 r0 top
TP9 "RH-5001" TP_RH-5001 424,129 r0 top
TP10 "RH-5000" TP_RH-5000 401,129 r0 top
TP11 "RH-5001" TP_RH-5001 401,66 r0 top
TP12 "RH-5000" TP_RH-5000 378,66 r0 top